# Altium PCB MSP432P401R核心板.PcbDoc (continued)
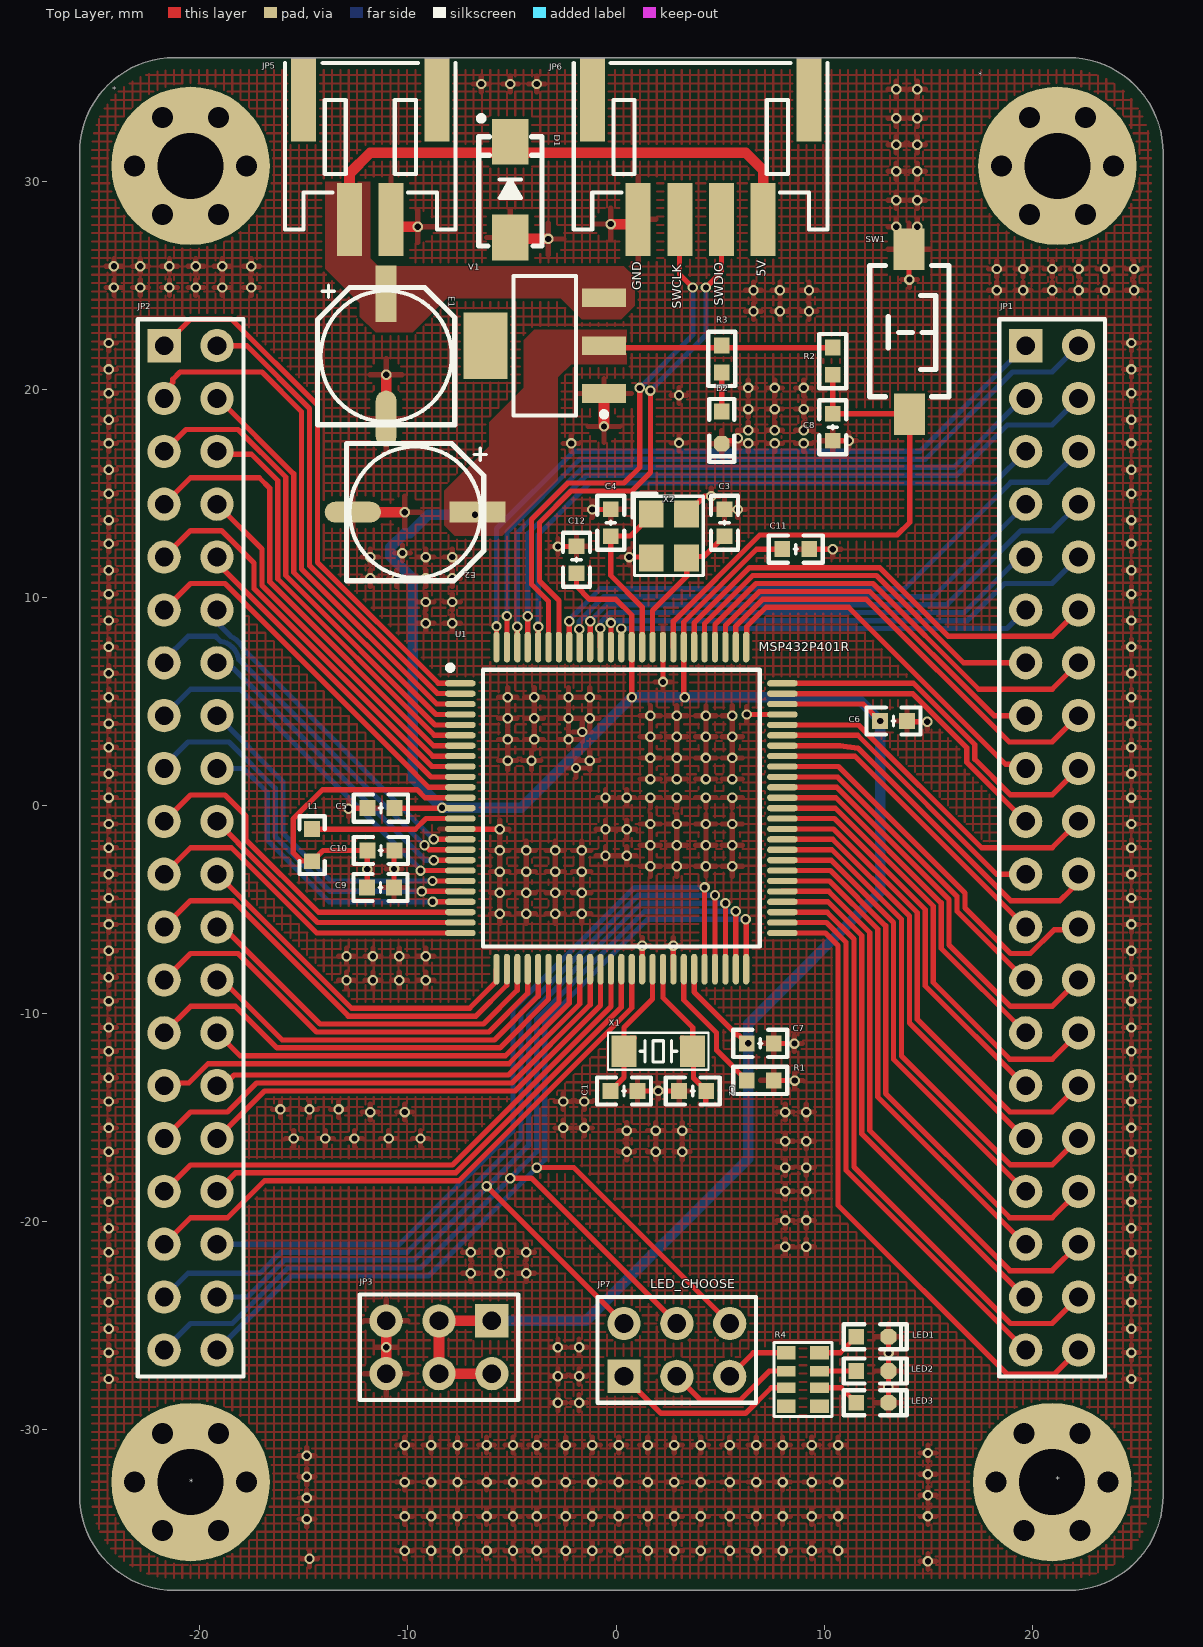
[diagram p0: Top Layer view]
## Nets (pads, with @x,y where several pads share a name; then routed paths per layer and width w, separated by ;. In a path a pad name is that pad's centre, name@x,y a point inside that pad or via, vN(x,y) a via of type N, cw(c..) or ccw(c..) an arc to the next point about the centre after c; other vN are vias at no path point) (continued)
LED1: JP7.5 R4.1 | length 3.2
  Top Layer w0.254: JP7.5 6.595,-26.298 R4.1
LED2: JP7.3 R4.2 | length 6.3
  Top Layer w0.254: JP7.3 4.064,-28.575 5.969,-28.575 7.366,-27.178 R4.2
LED3: JP7.1 R4.3 | length 9
  Top Layer w0.254: JP7.1 2.159,-29.21 6.223,-29.21 7.455,-27.978 R4.3
NetD2_1: D2.1 R3.2 | length 1.9
  Top Layer w0.254: D2.1 R3.2
NetLED1_1: LED1.1 R4.8 | length 2.1
  Top Layer w0.254: R4.8 10.771,-26.298 LED1.1
NetLED2_1: LED2.1 R4.7 | length 1.8
  Top Layer w0.254: R4.7 LED2.1
NetLED3_1: LED3.1 R4.6 | length 2.3
  Top Layer w0.254: R4.6 10.818,-27.978 LED3.1 LED3.1@11.406,-28.838
NetR1_2: R1.2 U1.44 | length 6.6
  Top Layer w0.254: U1.44 3.254,-9.35 4.826,-10.922 4.826,-11.755 R1.2 ; R1.2@6.413,-13.074 R1.2@6.421,-13.081
P1.0: JP2.4 U1.4 | length 20.8
  Top Layer w0.254: JP2.4 -19.115,19.558 -15.494,15.937 -15.494,11.211 -8.656,4.373 U1.4
P1.1: JP2.5 U1.5 | length 23.3
  Top Layer w0.254: JP2.5 -20.663,18.072 -18.168,18.072 -15.875,15.779 -15.875,11.053 -8.695,3.873 U1.5
P1.2: JP2.6 U1.6 | length 20.1
  Top Layer w0.254: JP2.6 -19.04,16.881 -17.516,16.881 -16.256,15.621 -16.256,10.895 -8.734,3.373 U1.6
P1.3: JP2.7 U1.7 | length 22.7
  Top Layer w0.254: JP2.7 -20.447,15.748 -17.145,15.748 -16.637,15.24 -16.637,10.737 -8.773,2.873 U1.7
P1.4: JP2.8 U1.8 | length 17.7
  Top Layer w0.254: JP2.8 -17.018,12.319 -17.018,10.579 -8.812,2.373 U1.8
P1.5: JP2.9 U1.9 | length 20.2
  Top Layer w0.254: JP2.9 -20.447,13.208 -18.956,13.208 -17.399,11.651 -17.399,10.421 -8.851,1.873 U1.9
P1.6: JP2.10 U1.10 | length 16.2
  Top Layer w0.254: JP2.10 -19.177,11.661 -8.889,1.373 U1.10
P1.7: JP2.11 U1.11 | length 18.8
  Top Layer w0.254: JP2.11 -20.447,10.668 -18.796,10.668 -10.191,2.063 -9.001,0.873 U1.11
P2.0: JP2.12 U1.16 | length 16.6
  Top Layer w0.254: v1(-8.763,-1.627) U1.16
  Bottom Layer w0.254: JP2.12 -19.177,8.787 -18.528,8.138 cw(c-19.177,6.858) -17.897,7.507 v1(-8.763,-1.627)
P2.1: JP2.13 U1.17 | length 19.2
  Top Layer w0.254: v1(-9.205,-1.909) -8.987,-2.127 U1.17
  Bottom Layer w0.254: JP2.13 -21.717,6.985 -20.574,8.128 -19.242,8.128 -19.069,7.954 -19.014,7.899 cw(c-19.177,6.858) -18.136,7.021 -18.081,6.966 v1(-9.205,-1.909)
P2.2: JP2.14 U1.18 | length 15.6
  Top Layer w0.254: v1(-8.763,-2.627) U1.18
  Bottom Layer w0.254: JP2.14 -18.919,6.6 -18.411,6.6 -9.184,-2.627 v1(-8.763,-2.627)
P2.3: JP2.15 U1.19 | length 18.4
  Top Layer w0.254: v1(-9.398,-3.127) U1.19
  Bottom Layer w0.254: JP2.15 -20.447,5.588 -18.065,5.588 -9.398,-3.079 v1(-9.398,-3.127)
P2.4: JP2.16 U1.20 | length 16.4
  Top Layer w0.254: v1(-8.819,-3.627) U1.20
  Bottom Layer w0.254: JP2.16 -16.002,1.143 -16.002,-1.335 -13.71,-3.627 v1(-8.819,-3.627)
P2.5: JP2.17 U1.21 | length 19.2
  Top Layer w0.254: v1(-9.334,-4.127) U1.21
  Bottom Layer w0.254: JP2.17 -21.717,1.905 -20.574,3.048 -18.603,3.048 -16.383,0.828 -16.383,-1.493 -13.749,-4.127 v1(-9.334,-4.127)
P2.6: JP2.18 U1.22 | length 15.7
  Top Layer w0.254: v1(-8.818,-4.627) U1.22
  Bottom Layer w0.254: JP2.18 -17.907,1.778 -16.764,0.635 -16.764,-1.651 -13.788,-4.627 v1(-8.818,-4.627)
P2.7: JP2.19 U1.23 | length 17.8
  Top Layer w0.254: JP2.19 -20.447,0.508 -18.796,0.508 -17.78,-0.508 -17.78,-1.651 -14.304,-5.127 U1.23
P3.0: JP2.28 U1.32 | length 19.5
  Top Layer w0.254: JP2.28 -18.072,-12.027 -5.315,-12.027 -2.746,-9.458 U1.32
P3.1: JP2.29 U1.33 | length 22.7
  Top Layer w0.254: JP2.29 -21.585,-13.33 -20.536,-13.33 -19.614,-12.408 -5.157,-12.408 -2.246,-9.497 U1.33
P3.2: JP2.30 U1.34 | length 20.7
  Top Layer w0.254: JP2.30 -18.863,-13.462 -18.355,-12.954 -5.164,-12.954 -1.746,-9.536 U1.34
P3.3: JP2.31 U1.35 | length 24.8
  Top Layer w0.254: JP2.31 -20.447,-14.732 -18.669,-14.732 -17.272,-13.335 -5.006,-13.335 -1.246,-9.575 U1.35
P3.4: JP2.32 U1.36 | length 22.8
  Top Layer w0.254: JP2.32 -16.891,-13.716 -4.849,-13.716 -0.746,-9.613 U1.36
P3.5: JP2.33 U1.37 | length 26.9
  Top Layer w0.254: JP2.33 -20.447,-17.272 -7.866,-17.272 -0.246,-9.652 U1.37
P3.6: JP2.34 U1.38 | length 24.9
  Top Layer w0.254: JP2.34 -18.288,-17.653 -7.708,-17.653 0.254,-9.691 U1.38
P3.7: JP2.35 U1.39 | length 29
  Top Layer w0.254: JP2.35 -20.447,-19.812 -18.669,-19.812 -16.891,-18.034 -7.55,-18.034 0.754,-9.73 U1.39
P4.0: JP1.35 U1.56 | length 23.6
  Top Layer w0.254: U1.56 10.258,-3.627 12.573,-5.942 12.573,-14.001 19.654,-21.082 JP1.35
P4.1: JP1.34 U1.57 | length 26.4
  Top Layer w0.254: U1.57 10.297,-3.127 12.954,-5.784 12.954,-13.843 18.923,-19.812 20.955,-19.812 JP1.34
P4.2: JP1.33 U1.58 | length 22.1
  Top Layer w0.254: U1.58 10.336,-2.627 13.335,-5.626 13.335,-12.192 JP1.33
P4.3: JP1.32 U1.59 | length 24.9
  Top Layer w0.254: U1.59 10.375,-2.127 13.716,-5.468 13.716,-12.034 18.938,-17.257 20.97,-17.257 JP1.32
P4.4: JP1.31 U1.60 | length 20.7
  Top Layer w0.254: U1.60 10.413,-1.627 14.097,-5.311 14.097,-10.445 19.654,-16.002 JP1.31
P4.5: JP1.30 U1.61 | length 23.4
  Top Layer w0.254: U1.61 10.452,-1.127 14.478,-5.153 14.478,-10.287 18.923,-14.732 20.955,-14.732 JP1.30
P4.6: JP1.29 U1.62 | length 19.2
  Top Layer w0.254: U1.62 10.491,-0.627 14.859,-4.995 14.859,-8.667 19.654,-13.462 JP1.29
P4.7: JP1.28 U1.63 | length 21.9
  Top Layer w0.254: U1.63 10.53,-0.127 15.24,-4.837 15.24,-8.509 18.923,-12.192 20.955,-12.192 JP1.28
P5.0: JP1.27 U1.64 | length 17.6
  Top Layer w0.254: U1.64 10.569,0.373 15.621,-4.679 15.621,-6.858 JP1.27
P5.1: JP1.26 U1.65 | length 20.4
  Top Layer w0.254: U1.65 10.607,0.873 16.002,-4.522 16.002,-6.7 18.954,-9.652 20.955,-9.652 JP1.26
P5.2: JP1.25 U1.66 | length 16.2
  Top Layer w0.254: U1.66 10.646,1.373 16.383,-4.364 16.383,-5.08 JP1.25
P5.3: JP1.24 U1.67 | length 18.9
  Top Layer w0.254: U1.67 10.685,1.873 16.764,-4.206 16.764,-4.922 18.954,-7.112 19.906,-7.112 21.044,-5.974 22.093,-5.974 JP1.24
P5.4: JP1.23 U1.68 | length 15.1
  Top Layer w0.254: U1.68 11.47,2.373 JP1.23
P5.5: JP1.22 U1.69 | length 18
  Top Layer w0.254: U1.69 10.763,2.873 11.628,2.754 18.954,-4.572 21.336,-4.572 21.834,-4.074 21.834,-4.057 22.225,-3.666 JP1.22
P5.6: JP1.21 U1.70 | length 14.5
  Top Layer w0.254: U1.70 11.613,3.373 18.288,-3.302 JP1.21
P5.7: JP1.20 U1.71 | length 17.2
  Top Layer w0.254: U1.71 11.652,3.873 17.557,-2.032 20.955,-2.032 JP1.20
P6.0: JP1.37 U1.54 | length 25.1
  Top Layer w0.254: U1.54 10.18,-4.627 11.811,-6.258 11.811,-15.779 19.654,-23.622 JP1.37
P6.1: JP1.36 U1.55 | length 27.9
  Top Layer w0.254: U1.55 10.219,-4.127 12.192,-6.1 12.192,-15.621 18.923,-22.352 20.955,-22.352 JP1.36
P6.2: JP1.17 U1.76 | length 18
  Top Layer w0.254: U1.76 6.263,7.62 6.263,8.22 6.28,8.237 6.28,8.604 6.732,9.056 7.201,9.525 11.176,9.525 18.723,1.978 19.485,1.978 JP1.17
P6.3: JP1.16 U1.77 | length 21.4
  Top Layer w0.254: U1.77 5.754,8.617 7.043,9.906 12.034,9.906 18.892,3.048 20.955,3.048 JP1.16
P6.4: JP1.15 U1.78 | length 18.6
  Top Layer w0.254: U1.78 5.254,8.656 6.885,10.287 12.192,10.287 18.161,4.318 JP1.15
P6.5: JP1.14 U1.79 | length 22
  Top Layer w0.254: U1.79 4.754,8.695 6.727,10.668 12.35,10.668 17.43,5.588 20.955,5.588 JP1.14
P6.6: JP1.13 U1.80 | length 19.2
  Top Layer w0.254: U1.80 4.254,8.734 6.569,11.049 12.508,11.049 16.699,6.858 JP1.13
P6.7: JP1.12 U1.81 | length 22.6
  Top Layer w0.254: U1.81 3.754,8.772 6.412,11.43 12.665,11.43 15.967,8.128 20.955,8.128 JP1.12
P7.0: JP1.11 U1.88 | length 20.7
  Top Layer w0.254: U1.88 v1(0.254,8.501)
  Bottom Layer w0.254: v1(0.254,8.501) 18.788,8.501 JP1.11
P7.1: JP1.10 U1.89 | length 24.9
  Top Layer w0.254: U1.89 v1(-0.246,8.775)
  Bottom Layer w0.254: v1(-0.246,8.775) -0.139,8.882 16.883,8.882 18.669,10.668 20.955,10.668 JP1.10
P7.2: JP1.9 U1.90 | length 22.9
  Top Layer w0.254: v1(-0.762,8.509) -0.755,8.502 -0.755,7.62 U1.90
  Bottom Layer w0.254: v1(-0.762,8.509) -0.762,8.798 -0.289,9.271 16.733,9.271 19.4,11.938 JP1.9
P7.3: JP1.8 U1.91 | length 27
  Top Layer w0.254: U1.91 v1(-1.246,8.852) v1@-1.239,8.859
  Bottom Layer w0.254: v1@-1.239,8.859 -0.446,9.652 15.908,9.652 19.464,13.208 20.955,13.208 JP1.8
P7.4: JP2.22 U1.26 | length 17.2
  Top Layer w0.254: JP2.22 -19.146,-3.302 -12.707,-9.741 -7.034,-9.741 -5.761,-8.468 -5.761,-7.88 U1.26
P7.5: JP2.23 U1.27 | length 20.7
  Top Layer w0.254: JP2.23 -20.447,-4.572 -18.415,-4.572 -12.865,-10.122 -6.736,-10.122 -5.255,-8.64 -5.255,-7.874 U1.27
P7.6: JP2.24 U1.28 | length 18
  Top Layer w0.254: JP2.24 -18.892,-5.842 -14.231,-10.503 -6.377,-10.503 -4.746,-8.872 U1.28
P7.7: JP2.25 U1.29 | length 21.5
  Top Layer w0.254: JP2.25 -20.447,-7.112 -18.161,-7.112 -14.389,-10.884 -6.112,-10.884 -4.246,-9.018 U1.29
P8.0: JP2.26 U1.30 | length 18.8
  Top Layer w0.254: JP2.26 -18.923,-8.382 -16.04,-11.265 -5.846,-11.265 -3.746,-9.165 U1.30
P8.1: JP2.27 U1.31 | length 22.2
  Top Layer w0.254: JP2.27 -20.447,-9.652 -18.288,-9.652 -16.294,-11.646 -5.58,-11.646 -3.246,-9.312 U1.31
P8.2: JP2.36 U1.46 | length 37.9
  Top Layer w0.254: U1.46 v1(4.254,-3.937)
  Bottom Layer w0.254: JP2.36 -10.414,-21.082 -4.953,-15.621 -4.953,-9.783 0.893,-3.937 v1(4.254,-3.937)
P8.3: JP2.37 U1.47 | length 41.6
  Top Layer w0.254: U1.47 v1(4.754,-4.318)
  Bottom Layer w0.254: JP2.37 -20.574,-22.479 -17.11,-22.479 -16.094,-21.463 -10.033,-21.463 -4.572,-16.002 -4.572,-14.386 -4.572,-9.941 1.051,-4.318 v1(4.754,-4.318)
P8.4: JP2.38 JP7.2 U1.48 | length 48.5
  Top Layer w0.254: v1(-6.223,-18.288) JP7.2 ; U1.48 v1(5.254,-4.699)
  Bottom Layer w0.254: JP2.38 -17.715,-23.622 -15.937,-21.844 -9.717,-21.844 -6.223,-18.35 v1(-6.223,-18.288) -6.161,-18.288 -4.191,-16.318 -4.191,-10.098 1.208,-4.699 v1(5.254,-4.699)
P8.5: JP2.39 JP7.4 U1.49 | length 53.6
  Top Layer w0.254: v1(-5.08,-17.907) -4.064,-17.907 JP7.4 ; U1.49 v1(5.754,-5.08)
  Bottom Layer w0.254: JP2.39 -20.447,-24.892 -18.446,-24.892 -15.779,-22.225 -9.398,-22.225 v1(-5.08,-17.907) -3.81,-16.637 -3.81,-10.256 1.366,-5.08 v1(5.754,-5.08)
P8.6: JP2.40 JP7.6 U1.50 | length 52.6
  Top Layer w0.254: v1(-3.81,-17.399) -2.032,-17.399 JP7.6 ; v1(6.223,-5.461) 6.254,-5.492 U1.50
  Bottom Layer w0.254: JP2.40 -15.621,-22.606 -9.017,-22.606 v1(-3.81,-17.399) -3.429,-17.018 -3.429,-10.414 1.524,-5.461 v1(6.223,-5.461)
P8.7: JP1.40 U1.51 | length 30.8
  Top Layer w0.254: U1.51 10.064,-6.127 10.668,-6.731 10.668,-19.208 18.787,-27.327 21.06,-27.327 JP1.40
P9.0: JP1.39 U1.52 | length 26.6
  Top Layer w0.254: U1.52 10.103,-5.627 11.049,-6.573 11.049,-17.526 JP1.39
P9.1: JP1.38 U1.53 | length 29.4
  Top Layer w0.254: U1.53 10.142,-5.127 11.43,-6.415 11.43,-17.368 18.954,-24.892 20.955,-24.892 JP1.38
P9.2: JP1.19 U1.74 | length 14.6
  Top Layer w0.254: U1.74 14.25,5.373 16.854,2.769 16.854,2.069 JP1.19
P9.3: JP1.18 U1.75 | length 17.4
  Top Layer w0.254: U1.75 14.289,5.873 17.235,2.927 17.235,2.226 18.938,0.523 20.97,0.523 JP1.18
P9.4: JP1.5 U1.96 | length 30.5
  Top Layer w0.254: U1.96 -3.737,7.62 v1(-3.737,8.582)
  Bottom Layer w0.254: v1(-3.737,8.582) -3.737,13.027 -1.27,15.494 18.161,15.494 JP1.5
P9.5: JP1.4 U1.97 | length 34.6
  Top Layer w0.254: U1.97 v1(-4.246,9.089)
  Bottom Layer w0.254: v1(-4.246,9.089) -4.246,13.057 -1.428,15.875 16.383,15.875 18.796,18.288 20.955,18.288 JP1.4
P9.6: JP1.3 U1.98 | length 32.6
  Top Layer w0.254: U1.98 v1(-4.746,8.589)
  Bottom Layer w0.254: v1(-4.746,8.589) -4.746,13.096 -1.586,16.256 16.225,16.256 19.527,19.558 JP1.3
P9.7: JP1.2 U1.99 | length 36.7
  Top Layer w0.254: U1.99 v1(-5.246,9.105)
  Bottom Layer w0.254: v1(-5.246,9.105) -5.246,13.134 -1.743,16.637 14.859,16.637 19.05,20.828 20.955,20.828 JP1.2
P10.0: JP1.1 U1.100 | length 34.8
  Top Layer w0.254: U1.100 v1(-5.746,8.605)
  Bottom Layer w0.254: v1(-5.746,8.605) -5.746,13.304 -2.032,17.018 14.605,17.018 JP1.1
P10.1: JP2.1 U1.1 | length 26.4
  Top Layer w0.254: JP2.1 -20.447,23.368 -18.48,23.368 -14.351,19.239 -14.351,11.684 -8.54,5.873 U1.1
P10.2: JP2.2 U1.2 | length 23
  Top Layer w0.254: JP2.2 -17.749,22.098 -14.732,19.081 -14.732,11.526 -8.588,5.382 -7.493,5.382 U1.2
P10.3: JP2.3 U1.3 | length 26.1
  Top Layer w0.254: JP2.3 -21.717,19.922 -21.305,20.334 -21.305,20.478 -20.955,20.828 -17.018,20.828 -15.113,18.923 -15.113,11.368 -8.618,4.873 U1.3
P10.4: JP2.20 U1.24 | length 13.7
  Top Layer w0.254: JP2.20 -18.161,-1.778 -18.161,-1.809 -14.343,-5.627 U1.24
P10.5: JP2.21 U1.25 | length 16.5
  Top Layer w0.254: JP2.21 -20.447,-2.032 -18.477,-2.032 -14.382,-6.127 U1.25
PJ.0: C1.2 U1.41 X1.2 | length 7.7
  Top Layer w0.254: C1.2 0.382,-13.065 X1.2 X1.2@0.382,-11.534 ; X1.2@0.255,-11.811 0.255,-11.661 X1.2@0.382,-11.534 ; X1.2@0.878,-11.188 0.728,-11.188 X1.2@0.382,-11.534 ; U1.41 1.754,-9.296 0.382,-10.668 X1.2@0.382,-11.534
PJ.1: C2.2 U1.42 X1.1 | length 8.1
  Top Layer w0.254: U1.42 2.254,-9.239 3.682,-10.667 X1.1 ; X1.1@3.187,-11.188 3.209,-11.188 3.555,-11.534 3.555,-11.811 3.719,-11.975 3.719,-13.103 C2.2 ; C2.2@4.316,-13.716 4.316,-14.223 4.317,-14.224
PJ.2: C3.2 U1.85 X2.3 | length 6.9
  Top Layer w0.254: U1.85 1.754,9.374 3.39,11.01 X2.3 3.455,11.969 4.222,11.969 4.938,12.685 4.953,12.685 4.964,12.696 C3.2@4.964,12.711
PJ.3: C4.2 U1.86 X2.1 | length 8.4
  Top Layer w0.254: U1.86 1.254,9.541 -0.254,11.049 -0.254,12.954 0.69,12.954 1.217,13.481 1.69,13.954 X2.1
PJ.4: JP1.7 U1.92 | length 25
  Top Layer w0.254: v1(-1.766,8.474) -1.755,8.463 -1.755,7.62 U1.92
  Bottom Layer w0.254: v1(-1.766,8.474) -1.766,8.871 -0.604,10.033 15.24,10.033 JP1.7
PJ.5: JP1.6 U1.93 | length 29.1
  Top Layer w0.254: U1.93 v1(-2.246,8.85)
  Bottom Layer w0.254: v1(-2.246,8.85) -2.246,8.93 -0.762,10.414 13.851,10.414 18.969,15.532 20.739,15.532 JP1.6
RST: C8.2 R2.1 SW1.2 U1.83 | length 25
  Top Layer w0.254: U1.83 2.754,8.85 6.902,12.998 13.506,12.998 14.117,13.609 14.117,18.137 13.428,18.826 C8.2 R2.1
SWCLK: JP6.3 U1.95 | length 25.6
  Top Layer w0.254: U1.95 -3.246,9.812 -4.064,10.63 -4.064,12.858 -4.064,13.747 -2.317,15.494 -1.428,15.494 0.381,15.494 1.143,16.256 v1(1.143,20.066) ; JP6.3@3.064,27.784 3.048,27.768 3.048,25.527 v1(3.683,24.892)
  Bottom Layer w0.254: v1(1.143,20.066) 3.683,22.606 v1(3.683,24.892)
SWIO: JP6.2 U1.94 | length 25.9
  Top Layer w0.254: U1.94 -2.746,9.851 -3.683,10.788 -3.683,13.589 -2.159,15.113 0.762,15.113 1.651,16.002 v1(1.651,19.939) ; v1(4.318,24.892) 5.064,25.638 JP6.2@5.064,27.784
  Bottom Layer w0.254: v1(1.651,19.939) 4.318,22.606 v1(4.318,24.892)
VCORE: C9.2 C10.2 L1.2 U1.12 | length 16
  Top Layer w0.254: L1.2@-14.62,-2.667 -15.113,-2.667 -15.516,-2.264 -15.516,-0.657 -14.097,0.762 -9.571,0.762 -9.182,0.373 U1.12 ; L1.2 -14.082,-2.159 C10.2 v1(-11.953,-3.063) C9.2@-11.953,-3.81
VSW: L1.1 U1.14 | length 7.4
  Top Layer w0.254: L1.1@-14.605,-0.874 L1.1@-14.478,-1.001 ; L1.1@-14.478,-1.143 -9.652,-1.143 -9.136,-0.627 U1.14
pads on no net: *.1 JP5.0 JP6.0 R4.4 R4.5 V1.4

## Polygon pours and split planes (outlines as drawn)
GND on Top Layer "GND_L01_P007" (hatched 90Degree grid 0.4 track 0.1, remove dead copper, pour order 7): -25.781,-33.147 ccw(c-21.209,-33.147) -21.209,-37.719 21.717,-37.719 ccw(c21.717,-33.147) 26.289,-33.147 26.289,31.369 ccw(c21.717,31.369) 21.717,35.941 -21.209,35.941 ccw(c-21.209,31.369) -25.781,31.369
3V3 on Top Layer "3V3_L01_P006" (solid, pour order 6): 0.508,22.86 0.508,21.209 -2.159,21.209 -2.794,20.574 -2.794,15.621 -5.461,12.954 -7.747,12.954 -8.255,13.462 -8.255,15.113 -6.096,17.272 -6.096,18.415 -4.445,20.066 -4.445,22.352 -3.937,22.86
5V on Top Layer "5V_L01_P005" (solid, remove dead copper, pour order 5): -13.97,25.781 -12.319,24.13 -12.319,23.495 -11.557,22.733 -9.779,22.733 -8.128,24.384 -2.667,24.384 -1.651,23.368 0.254,23.368 0.889,24.003 0.889,25.4 0.381,25.908 -11.43,25.908 -11.811,26.289 -11.811,29.972 -13.97,29.972
GND on Bottom Layer "GND_L02_P008" (hatched 90Degree grid 0.4 track 0.1, remove dead copper, pour order 8): -25.781,-33.147 ccw(c-21.209,-33.147) -21.209,-37.719 21.717,-37.719 ccw(c21.717,-33.147) 26.289,-33.147 26.289,31.369 ccw(c21.717,31.369) 21.717,35.941 -21.209,35.941 ccw(c-21.209,31.369) -25.781,31.369

## Other copper
Top Layer:
  pour cut-out: 8.509,4.064 9.779,4.064 9.779,4.318 9.525,4.572 8.509,4.572
  pour cut-out: 2.5,-7.945 2.5,-9.215 2.754,-9.215 3.008,-8.961 3.008,-7.945
  pour cut-out: 1.016,-8.128 1.016,-9.398 1.27,-9.398 1.524,-9.144 1.524,-8.128
  pour cut-out: 18.415,23.368 18.415,-27.432 23.495,-27.432 23.495,23.368
  pour cut-out: -22.987,-27.432 -17.907,-27.432 -17.907,23.368 -22.987,23.368
  pour cut-out: 0.889,14.859 0.889,11.049 4.191,11.049 4.191,14.859
  pour cut-out: -0.381,-10.922 -0.381,-12.7 4.572,-12.7 4.572,-10.922
Bottom Layer:
  pour cut-out: 0.889,14.859 0.889,11.049 4.191,11.049 4.191,14.859
  pour cut-out: -0.381,-10.922 -0.381,-12.7 4.445,-12.7 4.445,-10.922

## Silkscreen, mask and mechanical layers (free items; w line width, h text height)
Top Overlay:
  pour cut-out: 18.288,23.368 18.288,-27.432 23.368,-27.432 23.368,23.368
  pour cut-out: -23.114,-28.321 -22.987,-28.194 -22.606,-28.194 -23.368,-28.956 -22.86,-28.956
  pour cut-out: -22.987,23.368 -22.987,-27.432 -17.907,-27.432 -17.907,23.368
  text "5V" at 7.358,25.4 h0.76 r90
  text "GND" at 1.389,24.765 h0.76 r90
  text "SWDIO" at 5.326,24.003 h0.76 r90
  text "SWCLK" at 3.294,23.876 h0.76 r90
  text "MSP432P401R" at 6.858,7.247 h0.76
  text "LED_CHOOSE" at 1.651,-23.36 h0.76
Bottom Overlay:
  lines w0.254: -17.907,-24.892 -10.541,-24.892 ; -17.907,-22.352 -10.414,-22.352 ; -17.907,-19.812 -10.541,-19.812 ; -17.907,-17.272 -10.414,-17.272 ; -17.907,-14.732 -10.414,-14.732 ; -17.907,-12.192 -10.414,-12.192 ; -17.907,-9.652 -10.414,-9.652 ; -17.907,-7.112 -10.414,-7.112 ; -17.907,-4.572 -10.414,-4.572 ; -17.907,-2.032 -10.414,-2.032 ; -17.907,0.508 -10.414,0.508 ; -17.907,3.175 -10.414,3.175 ; -17.907,5.588 -10.414,5.588 ; -17.907,8.128 -10.414,8.128 ; -17.907,10.668 -10.414,10.668 ; -17.907,13.208 -10.541,13.208 ; -17.907,15.748 -10.414,15.748 ; -17.907,18.288 -10.541,18.288 ; -17.907,20.828 -10.414,20.828 ; -14.16,-27.432 -14.16,23.368 ; 10.922,-24.892 18.415,-24.892 ; 10.922,-22.352 18.415,-22.352 ; 10.922,-19.812 18.415,-19.812 ; 10.922,-17.272 18.415,-17.272 ; 10.922,-12.065 18.415,-12.065 ; 10.922,-9.652 18.415,-9.652 ; 10.922,-4.572 18.415,-4.572 ; 10.922,-2.032 18.415,-2.032 ; 10.922,0.508 18.415,0.508 ; 10.922,2.921 18.415,2.921 ; 10.922,5.588 18.415,5.588 ; 10.922,8.128 18.415,8.128 ; 10.922,10.668 18.415,10.668 ; 10.922,13.208 18.415,13.208 ; 10.922,15.748 18.415,15.748 ; 10.922,18.288 18.415,18.288 ; 10.922,20.828 18.415,20.828 ; 11.049,-14.732 18.415,-14.732 ; 11.049,-7.112 18.415,-7.112 ; 14.668,-27.432 14.668,23.368 ; -17.907,-27.432 -10.414,-27.432 -10.414,23.368 -17.907,23.368 -17.907,-27.432 ; 10.922,-27.432 18.415,-27.432 18.415,23.368 10.922,23.368 10.922,-27.432
  text "P10.0" at 14.478,21.606 h1.52
  text "P10.1" at -14.351,21.479 h1.52
  text "P10.2" at -10.668,21.479 h1.52
  text "P9.7" at 17.78,21.479 h1.52
  text "P10.3" at -14.351,19.067 h1.52
  text "P1.0" at -11.049,19.066 h1.52
  text "P9.6" at 14.097,18.939 h1.52
  text "P9.5" at 17.78,18.939 h1.52
  text "P9.4" at 14.097,16.526 h1.52
  text "PJ.5" at 17.78,16.526 h1.52
  text "P1.1" at -14.732,16.51 h1.52
  text "P1.2" at -11.049,16.51 h1.52
  text "P1.3" at -14.732,13.987 h1.52
  text "PJ.4" at 14.097,13.986 h1.52
  text "P7.3" at 17.78,13.987 h1.52
  text "P1.4" at -11.049,13.97 h1.52
  text "P1.5" at -14.732,11.446 h1.52
  text "P1.6" at -11.049,11.446 h1.52
  text "P7.2" at 14.097,11.43 h1.52
  text "P7.1" at 17.78,11.43 h1.52
  text "P2.0" at -11.049,8.906 h1.52
  text "P7.0" at 14.097,8.906 h1.52
  text "P6.7" at 17.78,8.906 h1.52
  text "P1.7" at -14.732,8.89 h1.52
  text "P6.6" at 14.097,6.366 h1.52
  text "P6.5" at 17.78,6.366 h1.52
  text "P2.1" at -14.732,6.35 h1.52
  text "P2.2" at -11.049,6.35 h1.52
  text "P2.3" at -14.732,3.827 h1.52
  text "P2.4" at -11.049,3.81 h1.52
  text "P6.4" at 14.097,3.699 h1.52
  text "P6.3" at 17.78,3.7 h1.52
  text "P2.5" at -14.732,1.286 h1.52
  text "P2.6" at -11.049,1.286 h1.52
  text "P6.2" at 14.097,1.159 h1.52
  text "P9.3" at 17.78,1.16 h1.52
  text "P9.2" at 14.097,-1.254 h1.52
  text "P5.7" at 17.78,-1.254 h1.52
  text "P10.4" at -10.668,-1.381 h1.52
  text "P2.7" at -14.732,-1.397 h1.52
  text "P10.5" at -14.351,-3.794 h1.52
  text "P5.6" at 14.097,-3.794 h1.52
  text "P5.5" at 17.78,-3.794 h1.52
  text "P7.4" at -11.049,-3.81 h1.52
  text "P5.4" at 14.097,-6.334 h1.52
  text "P5.3" at 17.78,-6.333 h1.52
  text "P7.5" at -14.732,-6.461 h1.52
  text "P7.6" at -10.922,-6.461 h1.52
  text "P8.0" at -10.922,-8.874 h1.52
  text "P5.2" at 14.097,-8.874 h1.52
  text "P5.1" at 17.78,-8.874 h1.52
  text "P7.7" at -14.732,-8.89 h1.52
  text "P8.1" at -14.732,-11.414 h1.52
  text "P3.0" at -11.049,-11.413 h1.52
  text "P5.0" at 14.097,-11.414 h1.52
  text "P4.7" at 17.78,-11.43 h1.52
  text "P4.6" at 14.097,-13.954 h1.52
  text "P4.5" at 17.78,-13.954 h1.52
  text "P3.1" at -14.859,-14.08 h1.52
  text "P3.2" at -11.049,-14.08 h1.52
  text "P3.3" at -14.859,-16.366 h1.52
  text "P3.4" at -11.049,-16.366 h1.52
  text "P4.3" at 17.78,-16.62 h1.52
  text "P4.4" at 14.097,-16.637 h1.52
  text "P3.5" at -14.859,-19.033 h1.52
  text "P3.6" at -11.049,-19.033 h1.52
  text "P4.2" at 14.097,-19.05 h1.52
  text "P4.1" at 17.78,-19.05 h1.52
  text "P3.7" at -14.859,-21.7 h1.52
  text "P8.2" at -11.049,-21.701 h1.52
  text "P4.0" at 14.097,-21.701 h1.52
  text "P6.1" at 17.78,-21.701 h1.52
  text "P8.3" at -14.859,-24.24 h1.52
  text "P8.4" at -11.049,-24.241 h1.52
  text "P6.0" at 14.097,-24.241 h1.52
  text "P9.1" at 17.78,-24.241 h1.52
  text "P8.5" at -14.859,-26.654 h1.52
  text "P8.6" at -11.049,-26.654 h1.52
  text "P9.0" at 13.97,-26.781 h1.52
  text "P8.7" at 17.78,-26.781 h1.52
Mechanical 1:
  the board outline again, w0.254